# Altium PCB Enerfi.PcbDoc
Units mil, origin at the board's own origin, x right, y up, seen from the top; angles counter-clockwise.
Board outline 2755 x 2360 mil, 2 copper layers (Top Layer, Bottom Layer); 26 components, 16 nets, 110 pads, 31 vias.
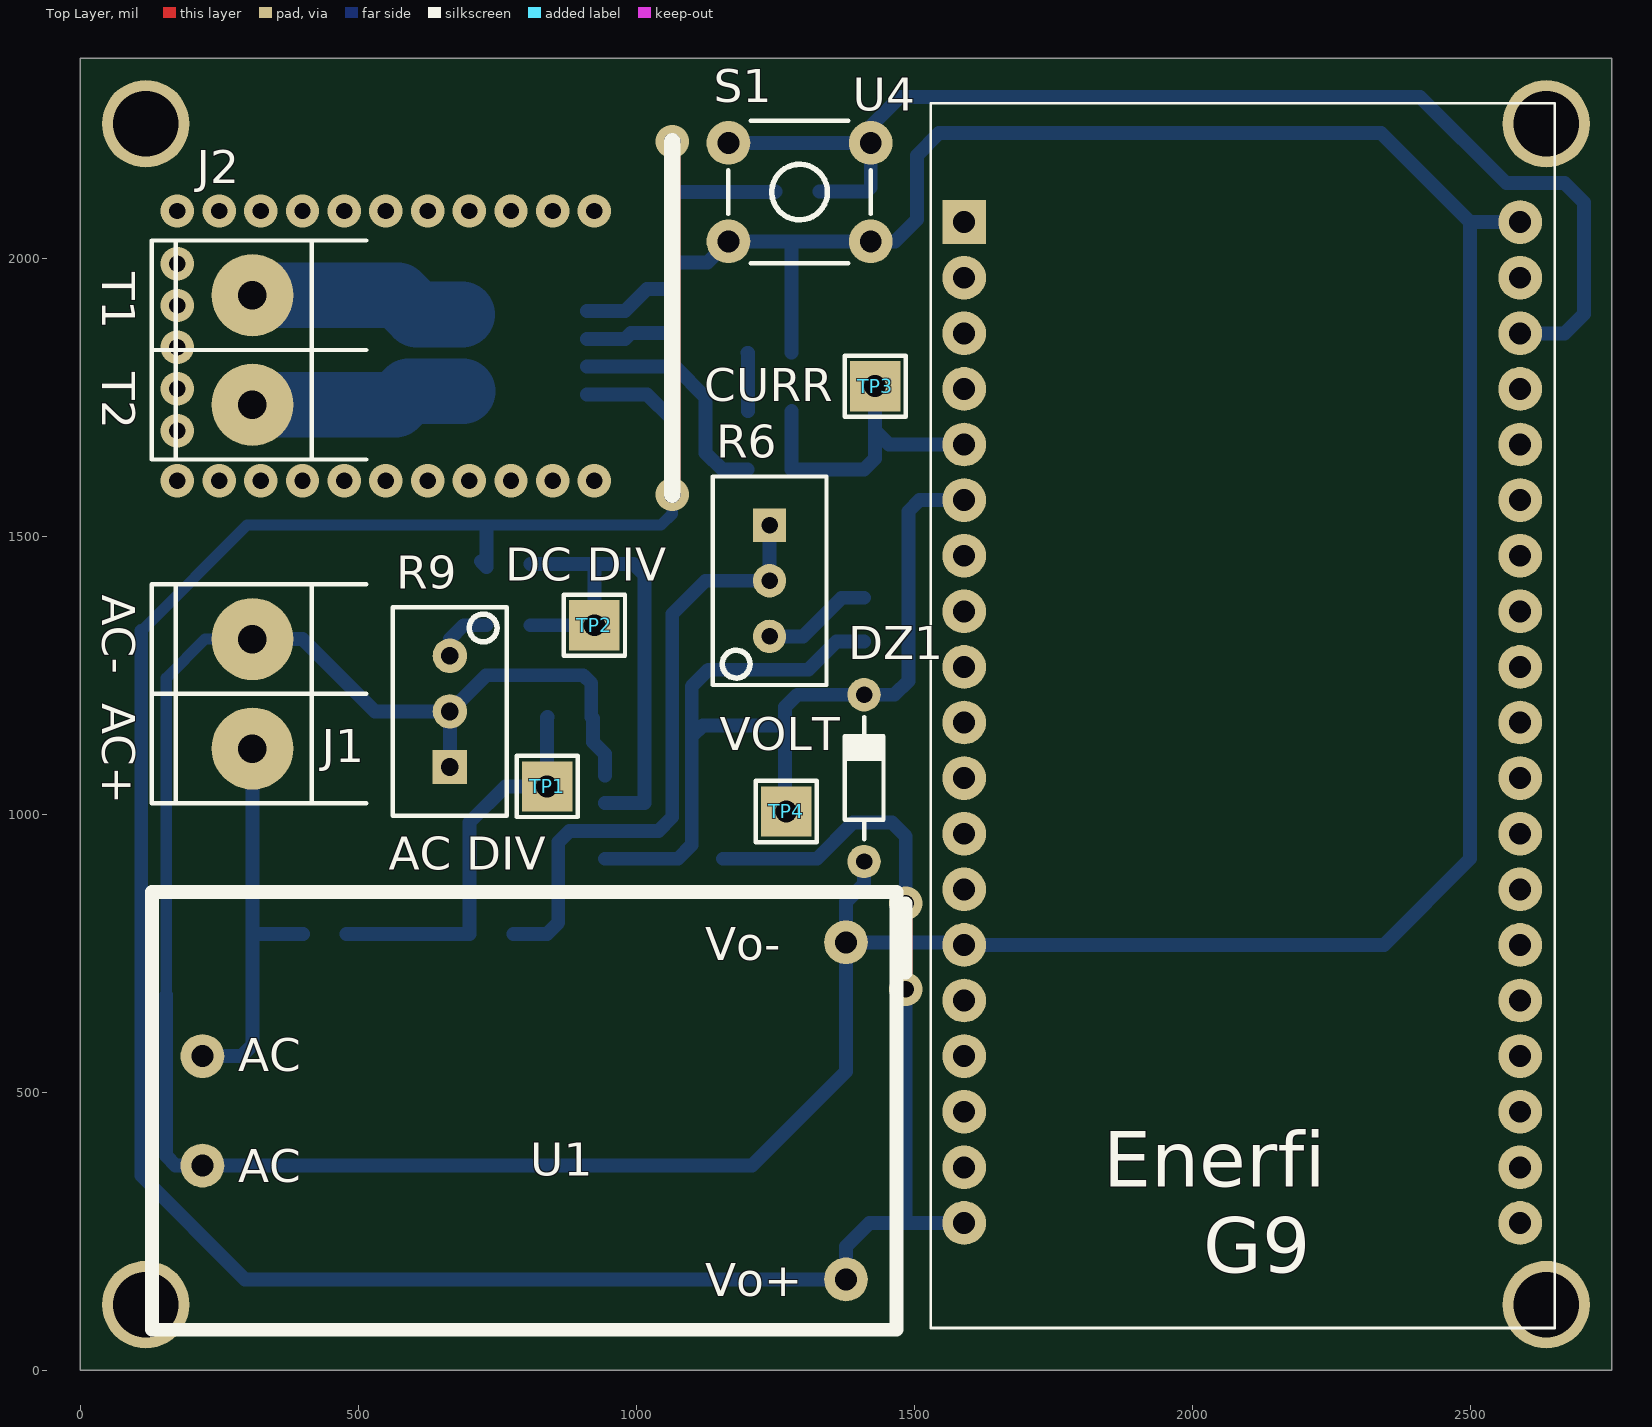
[diagram p0: Top Layer view]
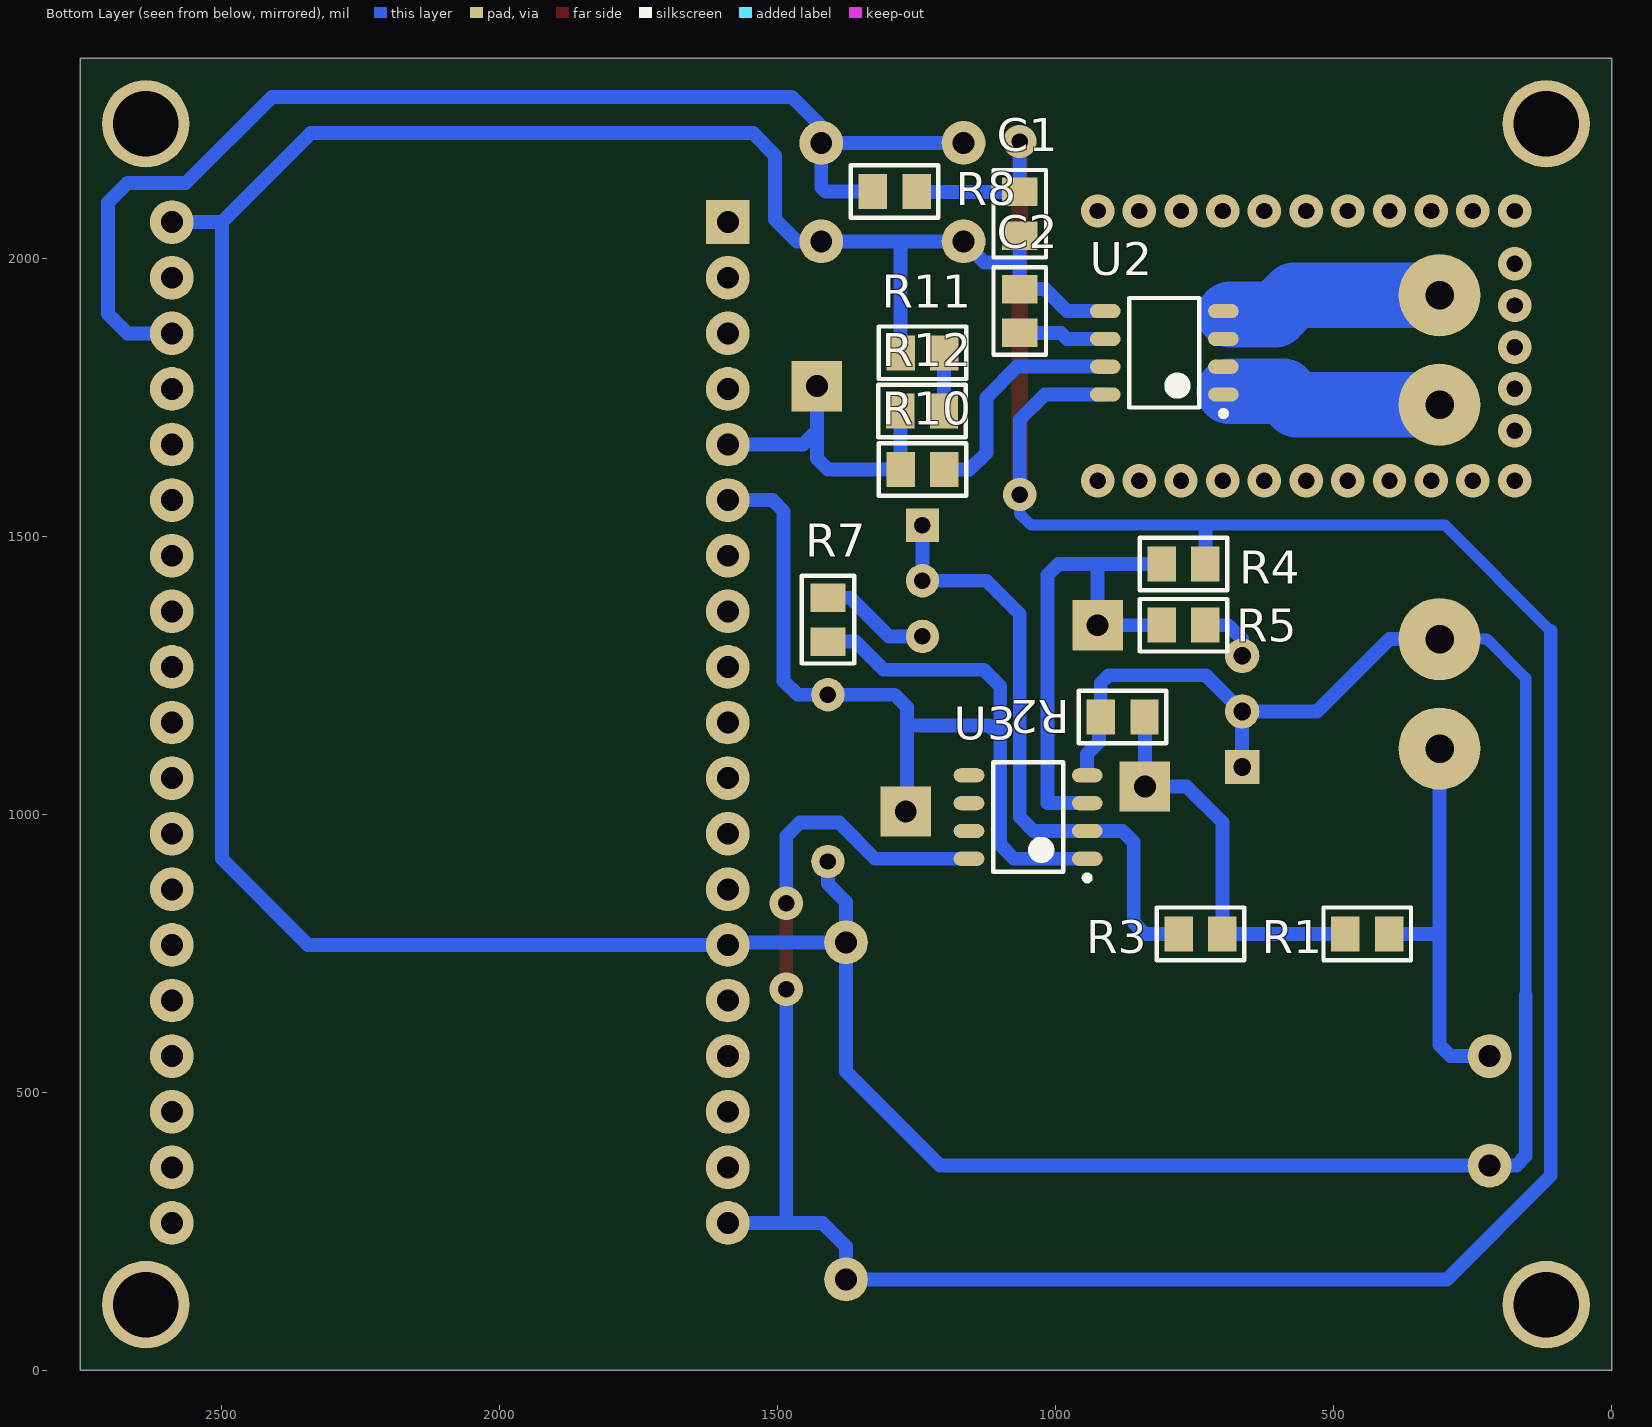
[diagram p1: Bottom Layer view, seen from below]
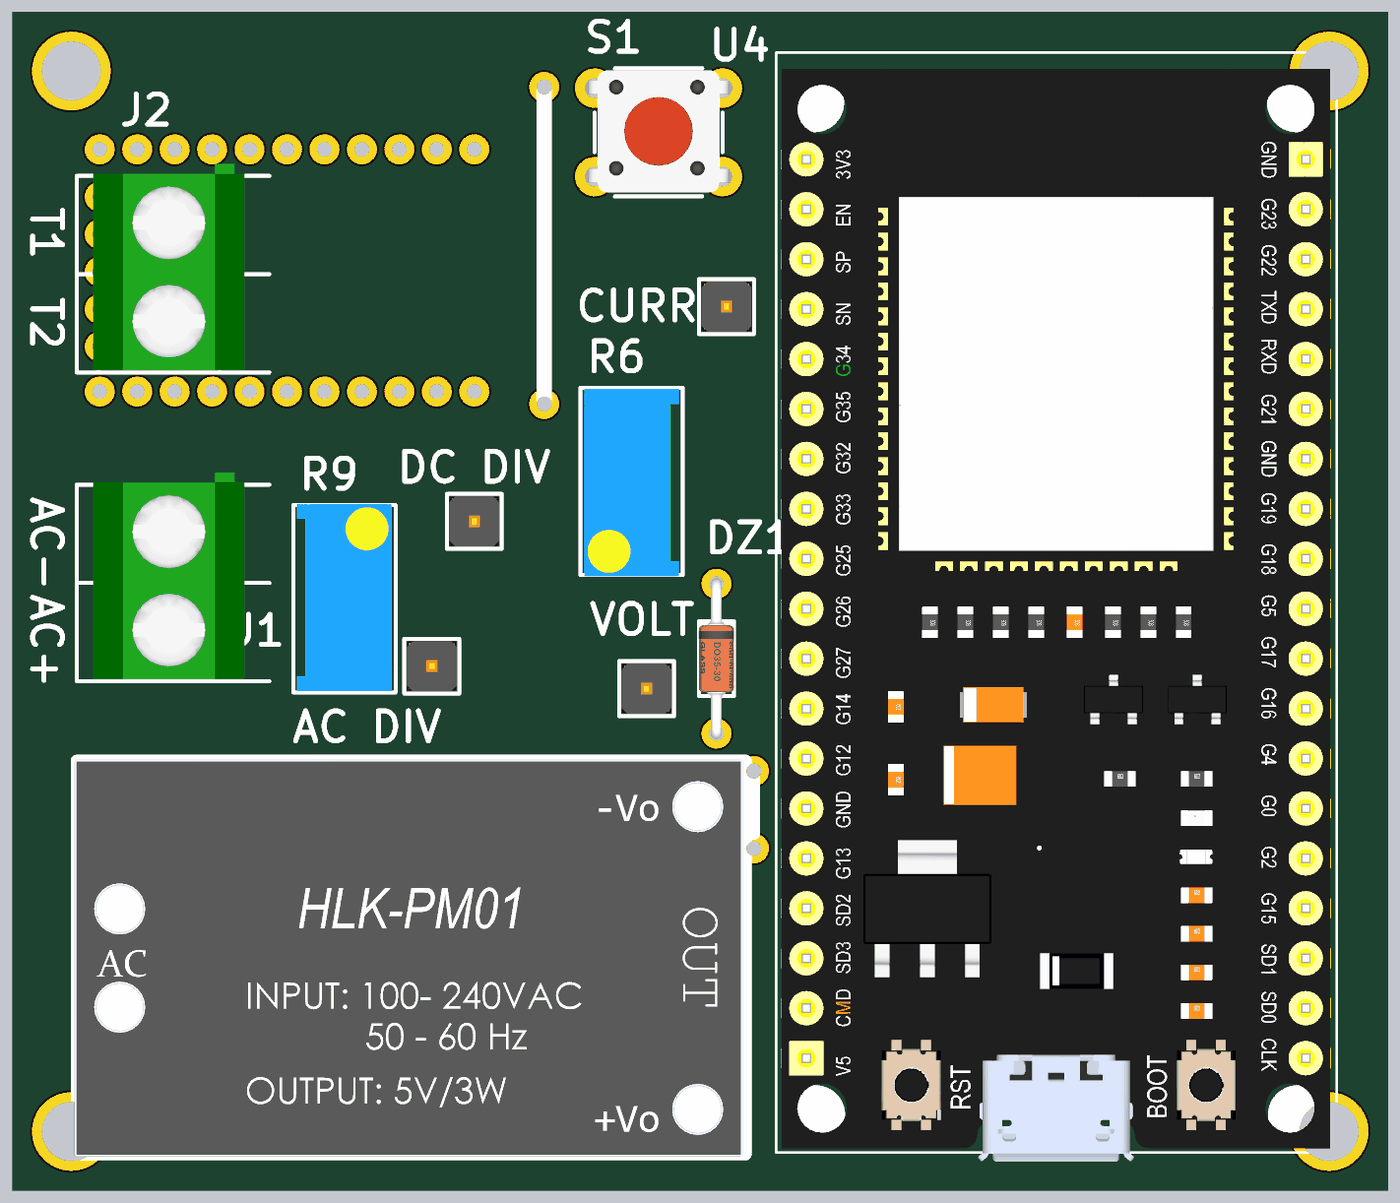
[diagram p2: 3D render of the assembled board from above, using the file's embedded part models]
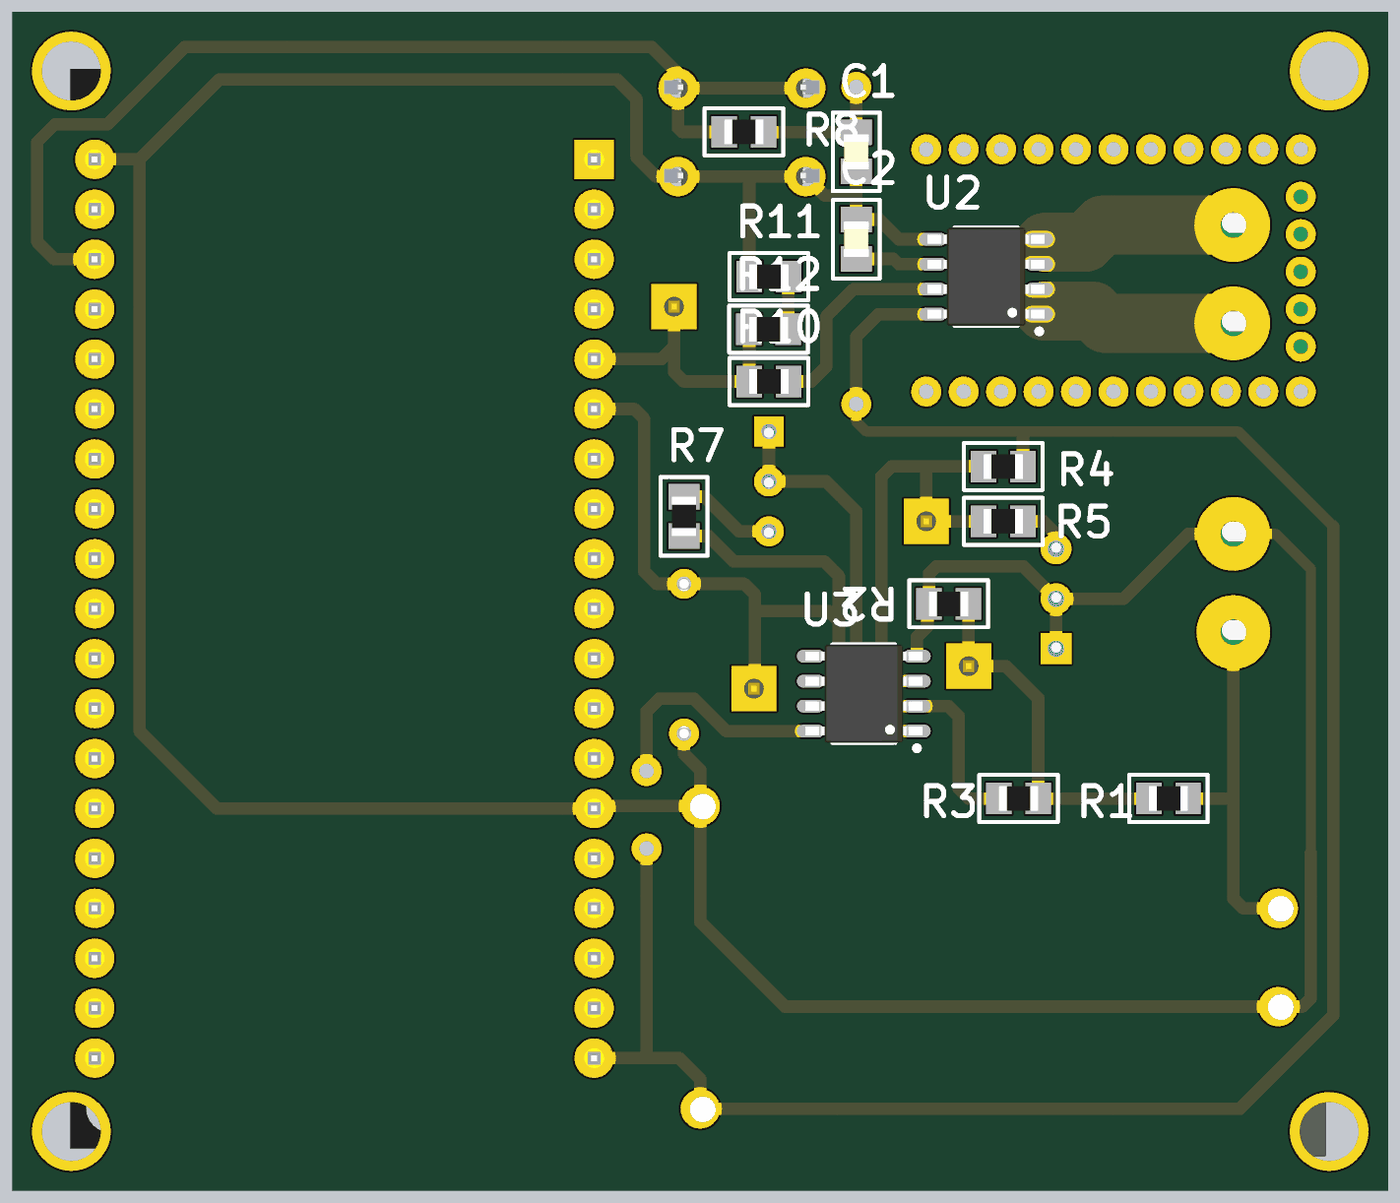
[diagram p3: 3D render of the assembled board from below, using the file's embedded part models]

## Layer stack, top to bottom
Top Solder: solder mask 0.4, Solder Resist, Dk 3.5
Top Layer: signal copper 1.4
Dielectric 1: dielectric 12.6, FR-4, Dk 4.8
Bottom Layer: signal copper 1.4
Bottom Solder: solder mask 0.4, Solder Resist, Dk 3.5

## Board outline
0,0 0,2360 2755,2360 2755,0

## Design rules (kind name [scope] priority, off if disabled: settings)
Clearance [All] p1: gap=10 ignorepadtopadclearanceinfootprint=FALSE except(0: Arc-Hole Track-Hole SMDPad-Hole THPad-Hole Via-Hole Fill-Hole Poly-Hole Region-Hole Text-Hole)
PolygonConnect [All] p1: connectstyle=Relief reliefconductorwidth=10 reliefentries=4 polygonreliefangle="90 Angle" airgapwidth=10
RoutingVias [All] p1: holewidth=30 width=60 viastyle="Through Hole" minholewidth=28 minwidth=50 maxholewidth=30 maxwidth=60
SolderMaskExpansion [All] p1: expansion=4
UnRoutedNet [All] p1: checkbadconnections=TRUE
Width WidthJ2_2 [InNet('NetJ2_2')] p1: maxlimit=196.85 minlimit=118.11 preferedwidth=118.11
Width WidthJ2_1 [InNet('NetJ2_1')] p2: maxlimit=196.85 minlimit=118.11 preferedwidth=118.11
Width [All] p3: maxlimit=30 minlimit=20 preferedwidth=25
29 further rules are at their usual default settings.

## Components (designator, comment, footprint, x,y, rotation, side; value= is the part's Value field where it differs from the comment)
C1 "1nF" C0805-0.80 1065,2080 r270 bottom
C2 "0.1uF" C0805-0.80 1065,1905 r90 bottom
DZ1 "3V3" DO35 1410,1065 r90 top
J1 "VOLTAGE" BORNERA2 310,1216.57 r0 top
J2 "CURRENT" BORNERA2 310,1835 r0 top
R1 "100k" R0805-0.45 440,785 r0 bottom
R2 "1k" R0805-0.45 880,1175 r180 bottom
R3 "10k" R0805-0.45 740,785 r0 bottom
R4 "100k" R0805-0.45 770.63,1450 r0 bottom
R5 "33k" R0805-0.45 770.63,1340 r0 bottom
R6 "1k" "PRESET V"#1 1240,1420 r270 top
R7 "3k" R0805-0.45 1410,1350 r270 bottom
R8 "10k" R0805-0.45 1290,2120 r180 bottom
R9 "5k" "PRESET V"#2 665,1185 r90 top
R10 "10k" R0805-0.45 1240,1620 r0 bottom
R11 "10k" R0805-0.45 1240,1830 r180 bottom
R12 "10k" R0805-0.45 1240.63,1725 r0 bottom
S1 "RESET" TACTSWITCH 1294,2119 r90 top
TP1 "AC DIV" TPTH 840,1050 r0 top
TP2 "DC DIV" TPTH 925,1340 r0 top
TP3 "CURR" TPTH 1430,1770 r0 top
TP4 "VOLT" TPTH 1270,1005 r0 top
U1 "220v to 5v AC-DC" "HLK PM01" 129.45,72.87 r0 top
U2 "ACS712" SOP127P600X175-8N 805,1830 r0 bottom
U3 "LM358" SOP127P600X175-8N 1050,995 r0 bottom
U4 "ESP32-DEVKITC-32U" MODULE_ESP32_DEVKIT_V1 2090,1165 r0 top

## Footprints (in the part's own frame and the unit in brackets; to place one, negate y for a bottom-side part, rotate by r counter-clockwise, add the part's x,y. Pads: shape width x height; smd on the part's side, far side on the other; paste and mask are expansions set on the pad)
BORNERA2 [mm] "Bornera con Tornillos 5mm separación"
  round 3.75 hole 1.3: 1(0,2.5) 2(0,-2.5)
  silkscreen extent -4.6,-5 5.2,5, body extent -3.76,-4.89 3.94,5.61, height 10
C0805-0.80 [mm] "Capacitor Chip 0805 Height 0.80"
  rect 1.3x1.6 smd: 1(-1,0) 2(1,0)
  silkscreen extent -2,-1.2 2,1.2, body extent -0.9,-0.63 0.9,0.64, height 0.81
DO35 [mil] "LED SMD 0805"
  round 60 hole 29.53: 1(-150,0) 2(150,0)
  silkscreen extent -110,-35 110,35, body extent -161,-35 161,35, height 72
"HLK PM01" [mm] "HLK PM01 220v to 5v AC-DC Isolated Switching Power Supply"
  round 2 hole 1: 1(2.3,12.5) 2(2.3,7.5) 3(31.7,17.7) 4(31.7,2.3)
  silkscreen extent 0,0 34,20, body extent -0.13,-0.13 33.87,20.07, height 15.6
MODULE_ESP32_DEVKIT_V1 [mm]
  rect 2x2 hole 1: 1(-12.7,22.86)
  round 2 hole 1: 2(-12.7,20.32) 3(-12.7,17.78) 4(-12.7,15.24) 5(-12.7,12.7) 6(-12.7,10.16) 7(-12.7,7.62) 8(-12.7,5.08) 9(-12.7,2.54) 10(-12.7,0) 11(-12.7,-2.54) 12(-12.7,-5.08) 13(-12.7,-7.62) 14(-12.7,-10.16) 15(-12.7,-12.7) 16(-12.7,-15.24) 17(-12.7,-17.78) 18(-12.7,-20.32) 19(-12.7,-22.86) 20(12.7,-22.86) 21(12.7,-20.32) 22(12.7,-17.78) 23(12.7,-15.24) 24(12.7,-12.7) 25(12.7,-10.16) 26(12.7,-7.62) 27(12.7,-5.08) 28(12.7,-2.54) 29(12.7,0) 30(12.7,2.54) 31(12.7,5.08) 32(12.7,7.62) 33(12.7,10.16) 34(12.7,12.7) 35(12.7,15.24) 36(12.7,17.78) 37(12.7,20.32) 38(12.7,22.86)
  round 3 on Top Overlay: ""(-12.28,25.74) ""(-12.23,-25.74) ""(12.23,25.74) ""(12.28,-25.74)
  silkscreen extent -14.23,-27.66 14.28,28.29, body extent -13.97,-28.13 13.97,27.45, height 7.14
"PRESET V"#1 [mil]
  rect 60x60 hole 29.53: 1(-100,0)
  round 60 hole 29.53: 2(0,0) 3(100,0)
  silkscreen extent -188,-102 188,102, body extent -185,-95 190,95, height 455
"PRESET V"#2 [mil]
  rect 62x62 hole 32: 1(-100,0)
  round 62 hole 32: 2(0,0) 3(100,0)
  silkscreen extent -188,-102 188,102, body extent -185,-95 190,95, height 455
R0805-0.45 [mm] "Resistor Chip 0805 Height 0.45mm"
  rect 1.3x1.6 smd: 1(-1,0) 2(1,0)
  silkscreen extent -2,-1.2 2,1.2, body extent -1,-0.62 1,0.63, height 0.46
SOP127P600X175-8N [mm] "SOP, 8-Leads, Body 4,95x3,95mm, Pitch 1,27mm, IPC Medium Density"
  oval 1.4x0.65 smd: 1(-2.7,1.905) 2(-2.7,0.635) 3(-2.7,-0.635) 4(-2.7,-1.905) 5(2.7,-1.905) 6(2.7,-0.635) 7(2.7,0.635) 8(2.7,1.905)
  silkscreen extent -2.82,-2.5 1.6,2.9, body extent -2.97,-2.5 2.97,2.5, height 1.75
TACTSWITCH [mm]
  round 2 hole 1: 1(-2.25,-3.25) 2(-2.25,3.25) 3(2.25,-3.25) 4(2.25,3.25)
  silkscreen extent -3.25,-3.25 3.25,3.25, body extent -3.05,-3.95 3.15,3.95, height 7
TPTH [mm]
  rect 2.3x2.3 hole 1: 1(0,0)
  silkscreen extent -1.4,-1.4 1.4,1.4, body extent -1.27,-1.27 1.27,1.27, height 6.04

## Part data
C1 C2: library part CAP
DZ1: library part "DIODO ZENER"
J1 J2: library part "BORNERA 2_V"
R1 R2 R3 R4 R5 R7 R8 R10 R11 R12: library part RES_1
R6 R9: library part Preset
S1: library part "TACT SW"
TP1 TP2 TP3 TP4: library part TP
U1: library part "HLK PM01", "HLK PM01 220v to 5v AC-DC Isolated Switching Power Supply", Autor="Nicolas Mahnic"
U2: "Hall Effect-Based Linear Current Sensor", Application Note=https://www.allegromicro.com/en/insights-and-innovations/technical-documents/hall-effect-sensor-ic-publications/current-sensor-ics-in-current-divider-configurations, Autor="Nicolas Mahnic", Datasheet=https://www.sparkfun.com/datasheets/BreakoutBoards/0712.pdf
U4: "- Transceiver; 802.11 b/g/n _Wi-Fi, WiFi, WLAN_, Bluetooth® Smart 4.x Low Energy _BLE_ For Use With ESP-WROOM-32", Package=None, Autor="Nicolas Mahnic", MF="Espressif Systems", MP=ESP32-DEVKITC-32U

## Free pads (board coordinates)
  round 157.48 hole 118.11: 2(118.11,118.11) 2(118.11,2241.89) 2(2636.89,118.11) 2(2636.89,2241.89)

## Via types
v1: diameter 60, hole 29.53, Top Layer to Bottom Layer, 31 vias

## Nets (pads, with @x,y where several pads share a name; then routed paths per layer and width w, separated by ;. In a path a pad name is that pad's centre, name@x,y a point inside that pad or via, vN(x,y) a via of type N, cw(c..) or ccw(c..) an arc to the next point about the centre after c; other vN are vias at no path point)
GND: C1.2 C2.2 DZ1.1 J1.1 R2.1 R9.1 R9.2 R11.1 S1.1 S1.2 U1.2 U1.3 U2.5 U3.4 U4.14 U4.38 | length 8262
  Bottom Layer w20: 155,675 155,1245 225,1315 J1.1
  Bottom Layer w25: 155,675 155,385 171.85,368.15 U1.2 1208.15,368.15 1377.48,537.48 U1.3 ; J1.1 400,1315 530,1185 R9.2 ; R9.1 R9.2 ; U2.5 980,1905 1019.37,1944.37 C2.2 1065,1992.5 ; U3.4 943.7,1108.7 922.4,1130 922.4,1171.97 R2.1 919.37,1235.63 905,1250 730,1250 R9.2 ; C1.2 1065,1992.5 ; R11.1 1279.37,2029.79 1280,2030.42 ; DZ1.1 1410,875 1377.48,842.48 U1.3 ; U4.38 2500,2065 ; 1065,1992.5 1128.13,1992.5 S1.2 1280,2030.42 ; 1280,2030.42 S1.1 1465.42,2030.42 1505,2070 1505,2185 1545,2225 2340,2225 2500,2065 ; U1.3 1585.28,769.72 U4.14 2345,765 2500,920 2500,2065
NetC2_1: C2.1 U2.6 | length 158.1
  Bottom Layer w25: U2.6 980,1855 990.63,1865.63 C2.1
NetJ1_2: J1.2 R1.1 U1.1 | length 724.1
  Bottom Layer w25: U1.1 290,565 310,585 310,780 ; J1.2 310,780 ; R1.1 315,785 310,780
NetJ2_1: J2.1 U2.3 U2.4 | length 391.3
  Bottom Layer w118.11: J2.1 571.57,1933.43 606,1899 U2.4@687,1899
NetJ2_2: J2.2 U2.1 U2.2 | length 388.1
  Bottom Layer w118.11: J2.2 566.57,1736.57 591,1761 U2.1@688,1761
NetR1_2: R1.2 R2.2 R3.1 TP1.1 | length 713.2
  Bottom Layer w25: R1.2 R3.1 700.63,985.63 765,1050 TP1.1 840,1174.37 R2.2
NetR3_2: R3.2 R6.1 R6.2 U3.2 | length 1122.4
  Bottom Layer w25: R3.2 840,785 860,805 860,950 880,970 U3.2 1040,970 1065,995 1065,1360 1125,1420 R6.2 R6.1
NetR4_2: R4.2 R5.2 TP2.1 U3.3 | length 921.7
  Bottom Layer w25: R5.2 TP2.1 925,1445 930,1450 ; R4.2 930,1450 ; U3.3 1015,1020 1015,1430 995,1450 930,1450
NetR5_1: R5.1 R9.3 | length 106.6
  Bottom Layer w25: R9.3 665,1315 690,1340 R5.1
NetR6_3: R6.3 R7.1 | length 198.7
  Bottom Layer w25: R6.3 1300,1320 1369.37,1389.37 R7.1
NetR8_1: R8.1 S1.3 S1.4 U4.36 | length 2174.2
  Bottom Layer w25: S1.4 S1.3 ; R8.1 1414.37,2120 1421.95,2127.58 S1.3 ; U4.36 2670,1865 2705,1900 2705,2100 2670,2135 2565,2135 2410,2290 1475,2290 1421.95,2236.95 S1.3
NetR10_1: R10.1 U2.7 | length 424.5
  Bottom Layer w25: U2.7 1070,1805 1125,1750 1125,1650 1155,1620 R10.1
NetR11_2: R11.2 R12.1 | length 105.3
  Bottom Layer w25: R11.2 1201.26,1829.37 R12.1
V_current: R10.2 R12.2 TP3.1 U4.5 | length 564.5
  Bottom Layer w25: R12.2 1279.37,1724.37 R10.2 1410,1620 1430,1640 1430,1690 ; TP3.1 1430,1690 ; U4.5 1455,1665 1430,1690
V_voltage: DZ1.2 R7.2 TP4.1 U3.1 U4.6 | length 1815.9
  Bottom Layer w25: U3.1 1075,920 1100,945 1100,1140 ; TP4.1@1266,1004 1268,1006 1268,1160 ; R7.2 1360.63,1310.63 1310,1260 1130,1260 1100,1230 1100,1140 ; U4.6 1510,1565 1490,1545 1490,1240 1465,1215 DZ1.2 1290,1215 1268,1193 1268,1160 ; 1100,1140 1120,1160 1268,1160
VCC: C1.1 R4.1 R8.2 U1.4 U2.8 U3.8 U4.19 | length 6053.2
  Top Layer w25: v1(1485,685) v1(1485,840)
  Top Layer w30: v1(1065,1575) v1(1065,2210)
  Bottom Layer w20: 110,1330 300,1520 1045,1520 1065,1540 v1(1065,1575)
  Bottom Layer w25: 110,1330 110,350 296.57,163.43 U1.4 1377.48,222.48 1420,265 1490,265 ; R4.1@721.26,1455 R4.1@731.26,1445 ; R4.1 731.26,1516.26 ; U2.8 1020,1755 1065,1710 v1(1065,1575) ; v1(1065,2210) C1.1 1250,2119.37 R8.2 ; U3.8 1325,920 1390,985 1460,985 1485,960 v1(1485,840) ; v1(1485,685) 1485,270 1490,265 ; U4.19 1490,265
pads on no net: U3.5 U3.6 U3.7 U4. U4.1 U4.2 U4.3 U4.4 U4.7 U4.8 U4.9 U4.10 U4.11 U4.12 U4.13 U4.15 U4.16 U4.17 U4.18 U4.20 U4.21 U4.22 U4.23 U4.24 U4.25 U4.26 U4.27 U4.28 U4.29 U4.30 U4.31 U4.32 U4.33 U4.34 U4.35 U4.37
copper on no net:
  other v1: 175,1600 250,1600 325,1600 400,1600 475,1600 550,1600 625,1600 700,1600 775,1600 850,1600 925,1600 175,1690 175,1765 175,1840 175,1915 175,1990 175,2085 250,2085 325,2085 400,2085 475,2085 550,2085 625,2085 700,2085 775,2085 850,2085 925,2085

## Silkscreen, mask and mechanical layers (free items; w line width, h text height)
Top Overlay:
  lines w25: 1485,715 1485,840
  lines w30: 1065,1575 1065,2210
  text "T1" at 40,1975 h60 r270
  text "T2" at 40,1795 h60 r270
  text "AC-" at 40,1395 h60 r270
  text "AC+" at 40,1200 h60 r270
  text "Enerfi" at 1840,330 h100
  text "G9" at 2020,175 h100
Mechanical 1:
  lines w10: 0,0 0,2362.2 2755.91,2362.2 2755.91,0 0,0

## Text inside footprints (layer, text, board x,y; h text height)
U1: Top Overlay "AC" at 284.45,537.87 h60; Top Overlay "AC" at 284.45,337.87 h60; Top Overlay "Vo-" at 1124.45,737.87 h60; Top Overlay "Vo+" at 1124.45,132.87 h60